# KiCad board pcb.kicad_pcb (continued)
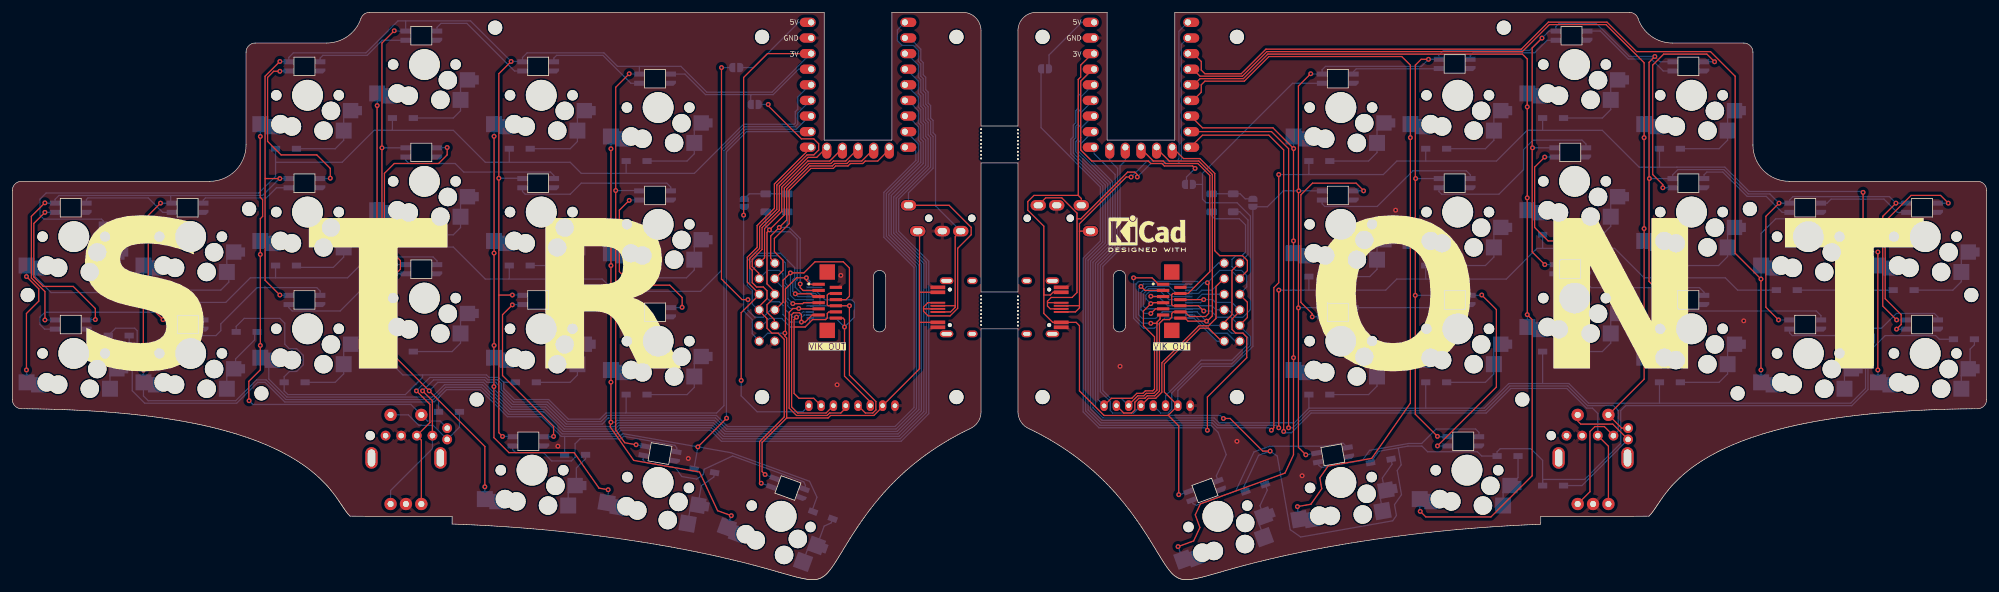
[diagram p0: board, top side]
## Routing (per net, layer and track width the routed paths; a pad name or vN(x,y) marks a point on that pad's centre or on a via; arc(x,y) is an arc through that point)
5V_VIK: length 81.3
  Top w0.2: 124.04,43.9 125.3,45.16 125.3,48.72 v1(126.5,49.92) 128.7,49.92 130.5,51.72 135.1,51.72 136.1,50.72 136.1,46.12 135.55,45.57 133.5,45.57 ; v1(115.3,83.32) 115.3,48.92 118.65,45.57 v1(119.6,45.57)
  Bottom w0.2: JP1.2 v1(115.3,83.32) ; v1(119.6,45.57) 119.6,43.82 120.7,42.72 122.1,42.72 123.28,43.9 124.04,43.9 ; v1(126.5,49.92) 126.5,46.32 127.25,45.57 129.7,45.57
5V_VIK_r: length 119.7
  Top w0.2: v1(194.3,24.32) 194.3,29.72 200.7,36.12 200.7,39.49 200.07,40.12 198.9,40.12 198.3,40.72 198.3,42.41 199.5,43.61 199.5,43.9 ; v1(193.7,45.57) 189.9,45.57
  Bottom w0.2: 191.35,45.07 193.2,45.07 v1(193.7,45.57) 195.14,45.57 195.6,45.12 198.29,45.12 199.5,43.9 ; v1(194.3,24.32) 193.89,24.72 176.67,24.72 174.1,27.29 174.1,52.32 176.9,55.12 176.9,63.89 167.25,73.54 JP2.2
+5V: length 14.6
  Bottom w0.2: JP1.1 120.51,83.32 127.86,90.68 MCU1.23
+5VD: length 11.8
  Bottom w0.2: JP2.1 168.55,85.37 173.86,90.68 175.88,90.68
GND: length 2
  Bottom w0.2: 129.7,47.57 131.65,47.57
  vias: v1(88.7,21.72) v1(109.9,19.72) v1(134.1,31.72) v1(134.7,49.52)
GNDA: length 9.9
  Bottom w0.2: 191.35,43.07 192.16,43.07 195.11,40.12 197.5,40.12 198.8,38.82 199.5,38.82
  vias: v1(180.1,34.72) v1(199.1,22.52) v1(209.7,16.92) v1(224.9,60.12) v1(262.9,46.12) v1(281.5,42.12) v1(288.7,57.12)
VCC: length 584.2
  Top w0.2: 79.1,46.32 79.1,82.32 v1(81.1,84.32) ; 79.1,46.32 v1(81.3,46.32) ; 79.1,46.32 79.1,23.92 v1(79.7,23.32) ; 147.5,46.77 147.5,34.32 141.5,28.32 141.5,28.16 140.07,26.72 133.04,26.72 132.64,26.32 125.91,26.32 121.9,22.32 121.9,17.59 v1(122.38,17.11) ; 147.5,46.77 147.5,56.42 147.2,56.72 ; 147.5,46.77 149.57,46.77 ; v1(24.1,61.27) 22.1,59.27 22.1,44.72 v1(24.5,42.32) ; v1(62.1,89.32) 60.1,87.32 60.1,53.52 v1(62.3,51.32) ; v1(43.5,84.32) 41.1,81.92 41.1,48.72 v1(43.5,46.32) ; v1(43.5,65.27) 41.1,65.27 ; 131.5,48.07 129.75,48.07 129.1,48.72 v1(129.1,49.12) 127.51,49.12 125.7,47.32 125.7,40.22 v1(125.6,40.12) 125.6,39.62 125.9,39.32 125.9,26.32 ; v1(118.9,59.32) 118.9,81.72 122.78,85.6 MCU1.21 ; v1(101.42,21.96) 99.57,22.29 98.1,24.38 v1(98.1,63.32) 98.1,80.12 v1(100.3,82.32) ; v1(5.3,42.27) 5.3,46.89 3.1,49.09 3.1,59.12 v1(5.3,61.32) ; 149.57,41.87 147.5,41.87 ; 98.1,44.32 v1(100.3,44.32)
  Bottom w0.2: v1(129.1,49.12) 129.7,48.52 129.7,48.07 ; LED5.1 43.44,65.27 40.69,62.52 7.59,62.52 6.95,61.88 LED7.1 5.35,61.27 v1(5.3,61.32) ; 43.55,46.27 LED10.1 ; v1(100.3,82.32) 100.35,82.27 LED1.1 101.95,83.52 ; MCU1.21 129.88,85.6 129.81,85.6 123.53,79.32 112.9,79.32 108.7,83.52 98.38,83.52 96.19,85.72 83.7,85.72 82.95,84.97 LED2.1 82.9,84.32 v1(81.1,84.32) 74.5,90.92 62.7,90.92 57.5,85.72 45.7,85.72 44.95,84.97 LED4.1 43.56,84.27 v1(43.5,84.32) ; v1(62.1,89.32) 62.15,89.27 LED3.1 63.95,90.92 ; v1(98.1,63.32) 101.9,63.32 LED14.1 ; v1(24.1,61.27) 25.75,61.27 25.75,62.52 ; LED19.1 122.41,17.06 v1(122.38,17.11) ; v1(79.7,23.32) 81.3,23.32 LED17.1 ; 121.5,38.82 120.3,40.02 120.3,42.32 118.9,43.72 v1(118.9,59.32) 118.9,60.57 119,60.67 ; v1(101.42,21.96) 101.42,21.96 LED18.1 ; v1(24.5,42.32) 25.9,42.32 LED9.1 ; LED13.1 82.9,65.32 v1(79.1,65.32) ; v1(81.3,46.32) 82.9,46.32 LED16.1 ; v1(60.1,70.27) LED12.1 ; LED15.1 101.9,44.32 v1(100.3,44.32) ; v1(62.3,51.32) 62.35,51.27 LED11.1 ; v1(5.3,42.27) LED8.1 ; 121.5,38.82 122.8,40.12 v1(125.6,40.12)
VDD: length 598.7
  Top w0.2: 167.7,47.32 167.7,57.52 165.1,60.12 165.1,61.52 166.1,62.52 173.3,62.52 ; 167.7,47.32 167.7,43.32 169.15,41.87 172.95,41.87 173.5,41.32 173.5,30.72 177.51,26.72 187.89,26.72 187.92,26.75 ; 167.7,47.32 167.7,46.32 168.77,46.32 169.22,46.77 171.42,46.77 ; 187.92,26.75 189.65,25.03 v1(189.65,13.83) ; 187.92,26.75 189.5,28.32 187.3,30.52 187.3,35.12 193.1,40.92 194.5,40.92 196.59,38.82 196.96,38.82 ; 175.88,85.6 175.59,85.6 173.7,83.72 173.7,81.78 173.3,81.38 173.3,62.52 ; v1(306.24,61.27) 304.1,59.12 304.1,44.52 v1(306.36,42.27) ; v1(267.04,85.12) 266.1,84.18 266.1,65.32 v1(266.16,65.27) 266.1,65.21 266.1,48.52 v1(268.36,46.27) ; v1(210.3,20.32) 209.1,21.52 v1(209.1,44.22) 209.1,63.21 v1(209.16,63.27) 209.1,63.32 209.1,80.32 v1(211.1,82.32) ; v1(287.24,61.27) 285.1,59.12 285.1,44.32 v1(287.16,42.27) ; v1(231.7,23.32) 228.1,26.92 v1(228.1,46.27) 228.1,65.21 v1(228.16,65.27) 228.1,65.32 228.1,83.72 229.05,84.67 v1(230.24,84.67) ; 173.3,62.52 173.8,62.02 TRRS2.T ; 187.5,48.07 186.35,48.07 185.3,49.12 v1(182.3,49.12) ; v1(248.7,88.12) 247.1,86.52 247.1,70.32 v1(247.16,70.27) 247.1,70.21 247.1,53.32 v1(249.16,51.27)
  Bottom w0.2: LED32.1 v1(306.24,61.27) 305.19,62.32 289.5,62.32 288.95,61.77 LED33.1 v1(287.24,61.27) 285.74,62.77 282.22,62.77 278.27,66.72 270.8,66.72 269.95,65.88 LED34.1 v1(266.16,65.27) ; LED22.1 231.76,23.27 v1(231.7,23.32) ; v1(189.65,13.83) 189.73,13.79 LED20.1 ; v1(228.1,46.27) LED23.1 ; v1(268.36,46.27) LED29.1 ; v1(247.16,70.27) LED27.1 ; v1(287.16,42.27) LED30.1 ; v1(211.1,82.32) 211.16,82.27 LED38.1 212.95,82.97 213.51,83.52 229.11,83.52 230.24,84.66 v1(230.24,84.67) LED37.1 231.95,85.37 232.71,86.12 246.7,86.12 v1(248.7,88.12) 249.84,89.27 LED36.1 250.95,89.97 251.5,90.52 257.5,90.52 262.9,85.12 v1(267.04,85.12) 267.9,84.27 LED35.1 ; 196.96,38.82 195.84,38.82 192.1,42.57 187.35,42.57 185.7,40.92 183.9,40.92 182.3,42.52 v1(182.3,49.12) ; v1(209.1,44.22) 209.14,44.27 LED24.1 ; v1(210.3,20.32) 210.32,20.31 LED21.1 ; v1(306.36,42.27) LED31.1 ; v1(228.16,65.27) LED26.1 ; 189.5,28.32 189.5,30.79 193.43,34.72 198.43,34.72 201.7,37.98 201.7,60.48 201.5,60.68 204.06,60.68 206.64,63.27 v1(209.16,63.27) LED25.1 ; v1(249.16,51.27) LED28.1
col0: length 264.6
  Top w0.2: v1(2.3,49.32) 4.3,47.32 4.3,45.32 2.3,43.32 v1(2.3,34.12) ; v1(21.32,34.09) 21.3,34.12 v1(21.3,49.12)
  Bottom w0.2: 2.32,51.12 2.32,49.35 v1(2.3,49.32) ; 3.75,50.07 3.75,49.27 6.3,46.72 18.9,46.72 v1(21.3,49.12) 21.32,49.14 SW6.2 ; v1(21.32,34.09) 21.32,29.89 22.1,29.12 36.32,29.12 39.72,32.52 41.27,32.52 44.47,29.32 68.43,29.32 70.43,31.32 76.27,31.32 80.67,26.92 86.21,26.92 89.4,23.72 98.37,23.72 98.97,24.32 113.49,24.32 115.29,22.52 144.51,22.52 149,27.02 149,51.82 144.1,56.72 144.1,61.92 149.3,67.12 149.3,71.95 148.9,72.35 148.9,74.38 148.5,74.78 148.5,76.81 148.1,77.21 148.1,78.93 147.7,79.33 147.7,81.35 147.3,81.75 147.3,83.72 145.42,85.6 MCU1.3 ; v1(2.3,34.12) 2.32,34.1 2.32,32.12
col0_r: length 202.9
  Top w0.2: v1(303.3,53.32) v1(303.3,34.12) ; v1(284.3,34.12) v1(284.3,48.92) 280.1,53.12 280.1,81.91 276.1,85.92 264.07,85.92 259.27,90.72 249.73,90.72 245.33,86.32 203.8,86.32 199.8,82.32 193.9,82.32 193.3,82.92 193.3,84.32 192.01,85.6 191.12,85.6
  Bottom w0.2: 303.32,32.12 303.32,34.1 v1(303.3,34.12) ; v1(284.3,48.92) 284.32,48.95 SW25.2 284.32,56.34 286.7,58.72 296.9,58.72 302.29,53.32 v1(303.3,53.32) 303.3,51.14 SW20.2 ; SW30.2 284.32,34.1 v1(284.3,34.12)
col1: length 265.6
  Top w0.2: v1(38.5,29.12) 38.45,29.17 38.45,32.27 40.32,34.14 v1(40.32,38.12) 40.32,52.92 v1(40.32,52.92) 40.32,58.74 40.7,59.12 40.7,61.82 40.3,62.22 40.3,72.09 v1(40.32,72.12)
  Bottom w0.2: v1(40.32,72.12) SW2.2 ; SW7.2 40.32,52.92 v1(40.32,52.92) ; ROLL1.S1 69.55,25.82 67.5,25.82 RE1.S1 64.8,28.52 39.11,28.52 v1(38.5,29.12) ; v1(40.32,38.12) 40.32,36.12 41.35,36.12 41.7,35.77 41.7,32.65 44.63,29.72 68.26,29.72 70.26,31.72 76.43,31.72 80.83,27.32 86.37,27.32 89.57,24.12 98.2,24.12 98.8,24.72 113.66,24.72 115.46,22.92 144.34,22.92 148.6,27.18 148.6,51.65 143.7,56.55 143.7,62.08 148.9,67.28 148.9,71.72 148.5,72.12 148.5,74.22 148.1,74.62 148.1,76.64 147.7,77.04 147.7,78.72 147.3,79.12 147.3,81.12 145.36,83.06 MCU1.4
col1_r: length 150.7
  Top w0.2: ROLL2.S1 261.65,24.67 RE2.S1 265.3,32.62 v1(265.3,38.12) v1(265.3,57.12) v1(265.3,71.92) 265.3,84.12 259.1,90.32 249.9,90.32 245.5,85.92 203.97,85.92 199.97,81.92 193.1,81.92 191.95,83.06 191.12,83.06
  Bottom w0.2: SW21.2 265.32,71.95 v1(265.3,71.92) ; SW26.2 265.32,57.1 v1(265.3,57.12) ; SW31.2 265.32,38.1 v1(265.3,38.12)
col2: length 222.9
  Top w0.2: v1(59.32,77.14) 59.3,77.12 59.3,58.14 v1(59.32,58.12) v1(59.32,39.14) 59.36,39.14 v1(67.78,30.72) 76.82,21.68 v1(76.82,15.12)
  Bottom w0.2: v1(59.32,39.14) SW13.2 ; MCU1.5 145.31,80.52 147.3,78.53 147.3,76.88 147.7,76.48 147.7,74.45 148.1,74.05 148.1,71.92 148.5,71.52 148.5,67.45 143.3,62.25 143.3,56.38 148.2,51.48 148.2,27.35 144.17,23.32 115.63,23.32 113.83,25.12 98.64,25.12 98.04,24.52 89.73,24.52 86.54,27.72 81,27.72 76.6,32.12 69.17,32.12 v1(67.78,30.72) ; v1(59.32,58.12) 59.32,60.12 ; v1(76.82,15.12) SW17.2 ; v1(59.32,77.14) SW3.2
col2_r: length 155.3
  Top w0.2: v1(228.9,11.12) 229.81,10.22 240.4,10.22 247.1,16.92 247.1,42.32 v1(246.3,43.12) v1(246.3,62.12) v1(246.3,76.92) 246.3,84.72 245.5,85.52 204.13,85.52 200.13,81.52 193.1,81.52 192.11,80.52 191.12,80.52
  Bottom w0.2: SW22.2 246.32,76.95 v1(246.3,76.92) ; v1(246.3,62.12) 246.32,62.1 SW27.2 ; SW32.2 246.32,43.1 v1(246.3,43.12) ; v1(228.9,11.12) 228.82,11.2 SW36.2
col3: length 211
  Top w0.2: v1(78.32,72.14) v1(78.32,53.14) v1(78.32,38.12) 78.3,38.09 78.3,23.12 80.75,20.67 91.35,20.67 95.39,14.9 v1(96.88,14.64)
  Bottom w0.2: v1(96.88,14.64) 96.97,14.5 SW18.2 ; MCU1.6 145.63,77.98 147.3,76.31 147.3,74.29 147.7,73.89 147.7,71.72 148.1,71.32 148.1,67.72 142.9,62.52 142.9,56.22 147.8,51.32 147.8,27.51 144.01,23.72 115.79,23.72 113.99,25.52 98.47,25.52 97.87,24.92 89.9,24.92 86.71,28.12 81.16,28.12 78.3,30.98 v1(78.3,31.42) ; v1(78.32,38.12) SW14.2 ; v1(78.32,53.14) SW9.2 ; v1(78.32,72.14) 78.32,74.12
col3_r: length 131.3
  Top w0.2: 191.12,77.98 191.97,77.98 193.3,79.32 193.3,80.52 193.9,81.12 200.3,81.12 204.3,85.12 225.9,85.12 227.3,83.72 v1(227.3,71.92) v1(227.3,57.12) v1(227.3,38.12) 227.3,28.72 221.01,19.74 213.93,18.49 212.58,16.57 212.89,14.8 211.13,12.28 v1(208.94,11.89)
  Bottom w0.2: v1(208.94,11.89) 208.91,11.85 SW37.2 ; v1(227.3,71.92) 227.32,71.95 227.32,74.12 ; v1(227.3,57.12) 227.32,57.1 SW28.2 ; v1(227.3,38.12) 227.32,38.1 SW33.2
col4: length 185.8
  Top w0.2: v1(116.9,10.42) 114.67,11.23 111.73,17.52 101.03,19.41 97.2,24.89 v1(97.32,25.62) 97.32,25.62 v1(97.32,32.14) v1(97.32,51.12) v1(97.32,70.12)
  Bottom w0.2: v1(97.32,51.12) 97.32,53.12 ; SW19.2 116.86,10.4 v1(116.9,10.42) ; MCU1.7 145.59,75.44 147.3,73.72 147.3,71.52 147.7,71.12 147.7,67.88 142.5,62.68 142.5,56.05 147.4,51.15 147.4,27.68 143.84,24.12 115.96,24.12 114.16,25.92 98.31,25.92 98.01,25.62 v1(97.32,25.62) ; SW5.2 v1(97.32,70.12) ; v1(97.32,32.14) SW15.2
col4_r: length 104.7
  Top w0.2: 191.12,75.44 191.58,75.44 193.5,73.52 204.95,73.52 v1(208.32,70.15) 208.3,70.12 v1(208.3,55.12) v1(208.3,36.12) 208.3,20.32 206.91,17.35 193.17,12.35 192.33,10.55 193.08,8.48 192.07,6.31 v1(189.53,5.39)
  Bottom w0.2: SW29.2 208.32,55.1 v1(208.3,55.12) ; v1(208.32,70.15) SW24.2 ; SW38.2 190.27,3.33 v1(189.53,5.39) ; v1(208.3,36.12) 208.32,36.1 208.32,34.12
CS: length 72.2
  Top w0.2: DISP1.7 130.3,29.52 127.9,29.52 127.1,30.32 127.1,42.33 v1(127.49,42.72) ; 133.5,43.57 132.75,43.57 132.5,43.32 132.5,42.59 132.22,42.32 130.09,42.32 128.89,41.12 127.1,41.12 ; 123.9,48.9 125.3,50.3 125.3,51.97 123.9,53.37 123.9,55.52 126.3,57.92 126.3,63.38 129.83,66.92 133.47,66.92 133.87,67.32 135.87,67.32 136.27,67.72 138.27,67.72 138.67,68.12 140.7,68.12 142.58,70 MCU1.10
  Bottom w0.2: 123.9,48.9 125.3,47.5 125.3,45.32 125.7,44.92 125.7,43.92 126.89,42.72 v1(127.49,42.72) 127.7,42.72 128.54,43.57 129.7,43.57
CS_r: length 76.2
  Top w0.2: MCU2.10 190.42,68.52 193.08,68.52 195.5,66.09 195.5,53.52 196.3,52.72 200.01,52.72 200.8,51.93 200.8,50.28 199.5,48.98 ; v1(194.3,48.32) 194.5,48.12 194.5,43.32 194,42.82 191.4,42.82 190.65,43.57 188.75,43.57 188.5,43.32 188.5,42.69 188.12,42.32 187.1,42.32 186.5,41.72 186.5,30.68 185.74,29.92 184.53,29.92 184.13,29.52 183.15,29.52 182.5,28.87 182.5,27.64 181.97,27.12 180.71,27.12 179.5,28.32
  Bottom w0.2: 199.5,48.98 198.16,50.32 196.31,50.32 v1(194.3,48.32) 193.7,48.32 192.46,47.07 191.35,47.07
ENCA: length 159.2
  Top w0.2: ROLL1.A 68.3,23.45 68.3,29.12 v1(66.7,30.72)
  Bottom w0.2: ROLL1.A 68.31,21.33 61.5,14.52 RE1.A ; MCU1.8 145.32,72.9 147.3,70.92 147.3,68.05 142.1,62.85 142.1,55.89 147,50.99 147,27.84 143.68,24.52 116.12,24.52 114.32,26.32 96.91,26.32 95.91,25.32 90.07,25.32 86.87,28.52 81.33,28.52 79.1,30.74 79.1,31.61 78.59,32.12 77.16,32.12 76.76,32.52 68.49,32.52 v1(66.7,30.72)
ENCA_r: length 142.8
  Top w0.2: RE2.A 256.5,14.32 256.5,24.12 257.3,24.92 258.83,24.92 ROLL2.A ; 191.12,72.9 204.72,72.9 207.5,70.12 v1(207.5,24.72)
  Bottom w0.2: 260.31,23.44 261.1,24.23 261.1,27.52 260.3,28.32 256.1,28.32 252.9,31.52 243.47,31.52 239.47,27.52 210.99,27.52 208.19,24.72 v1(207.5,24.72)
ENCB: length 156.3
  Top w0.2: v1(65.7,30.72) 67.9,28.52 67.9,25.57 ROLL1.B 66.5,22.71 RE1.B
  Bottom w0.2: v1(65.7,30.72) 67.89,32.92 76.93,32.92 77.33,32.52 78.91,32.52 79.5,31.93 79.5,30.91 81.49,28.92 87.04,28.92 90.23,25.72 95.71,25.72 96.71,26.72 114.49,26.72 116.29,24.92 143.51,24.92 146.6,28.01 146.6,50.82 141.7,55.72 141.7,63.01 146.9,68.21 146.9,69.72 146.26,70.36 MCU1.9
ENCB_r: length 134.5
  Top w0.2: v1(206.7,24.12) 206.7,69.92 204.3,72.32 193.5,72.32 191.54,70.36 191.12,70.36 ; RE2.B 259.5,21.71 ROLL2.B
  Bottom w0.2: v1(206.7,24.12) 206.9,23.92 207.96,23.92 211.16,27.12 239.63,27.12 243.63,31.12 252.73,31.12 255.93,27.92 256.9,27.92 257.77,27.05 ROLL2.B
GPIO1: length 86.4
  Top w0.2: MCU1.15 123.9,64.38 123.9,60.42 121.1,57.62 121.1,54.07 119.5,52.47 119.5,48.44 121.5,46.44 118.5,43.44 v1(118.5,32.42) ; 131.5,45.07 128.65,45.07 128.5,44.92 v1(126.9,44.92)
  Bottom w0.2: 129.65,45.07 128.7,45.07 128.55,44.92 v1(126.9,44.92) 126.1,45.72 126.1,47.84 125.7,48.24 125.7,51.52 124.51,52.72 121.07,52.72 119.9,51.54 119.9,48.04 121.5,46.44 ; v1(118.5,32.42) 118.5,29.92 121.1,27.32 128.5,27.32 DISP1.8
GPIO1_r: length 87.5
  Top w0.2: 187.5,45.07 185.25,45.07 v1(185.1,44.92) 183.9,43.72 183.9,41.32 185.7,39.52 185.7,31.01 185.41,30.72 184.2,30.72 183.8,30.32 182.82,30.32 182.01,29.52 178.7,29.52 DISP2.8
  Bottom w0.2: 175.88,70.36 175.88,69.34 179.3,65.92 179.3,54.12 176.5,51.32 176.5,29.32 177.5,28.32 ; 196.96,46.44 193.42,46.44 192.55,45.57 188.05,45.57 186.7,46.92 184.9,46.92 184.3,46.32 184.3,45.72 v1(185.1,44.92)
GPIO2: length 73.5
  Top w0.2: 121.36,48.9 121.36,49.86 120.3,50.92 120.3,52.14 121.9,53.74 121.9,57.29 124.7,60.09 124.7,64.05 129.37,68.72 130.78,68.72 MCU1.14 ; 131.5,44.07 127.92,44.07 v1(127.87,44.12) 127.86,44.12 126.9,44.12 126.3,43.52 126.3,27.92 127.49,26.72 132.47,26.72 132.87,27.12 134.7,27.12 135.5,27.92 DISP1.5
  Bottom w0.2: 121.36,48.9 122.78,50.32 124.71,50.32 125.3,49.73 125.3,48.07 125.7,47.67 125.7,45.49 126.1,45.09 126.1,44.52 126.5,44.12 v1(127.87,44.12) 127.92,44.07 129.7,44.07
GPIO2_r: length 101.4
  Top w0.2: 183.5,28.32 184.7,29.52 185.91,29.52 186.9,30.52 186.9,35.28 192.93,41.32 194.5,41.32 195.7,42.52 195.7,47.72 196.96,48.98 ; v1(185.1,43.32) 185.85,44.07 187.5,44.07
  Bottom w0.2: v1(185.1,43.32) 184.1,43.32 183.5,43.92 183.5,46.72 184.5,47.72 188.11,47.72 189.25,46.57 192.86,46.57 193.4,47.12 195.09,47.12 196.96,48.98 ; 183.5,28.32 182.3,27.12 178.9,27.12 178.5,27.52 178.5,29 176.9,30.6 176.9,51.16 179.7,53.96 179.7,66.92 178.42,68.2 178.42,70.36
I2C_3V3: length 7.3
  Bottom w0.2: JP3.1 119.81,62.78 R1.1 R2.1
I2C_3V3_r: length 6.8
  Bottom w0.2: 201.5,61.98 201.49,61.97 200.45,61.97 199.63,62.79 195,62.79
LED: length 27.6
  Bottom w0.2: MCU1.20 127.83,83.06 123.7,78.92 120.13,78.92 ; 120.13,78.92 120.05,78.84 JP5.1 ; 120.13,78.92 112.7,78.92 109.36,82.27 LED1.4
LED_OUT: length 110.7
  Top w0.2: 131.5,46.07 130.26,46.07 129.81,46.52 v1(127.3,46.52) ; 121.36,43.82 122.7,42.48 122.7,40.92 123.5,40.12 124.5,40.12 125.5,39.12 125.5,26.48 121.5,22.48 121.5,15.96 v1(121.76,15.7) ; v1(122.9,77.32) 122.9,77.12 128.29,71.72 130.3,71.72 131.1,70.92 131.1,69.9 130.31,69.12 129.21,69.12 124.3,64.21 124.3,60.25 121.5,57.45 121.5,53.9 119.9,52.3 119.9,50.72 120.3,50.32 120.3,48.32 121,47.62 122.1,47.62 122.7,47.02 122.7,45.72 121.5,44.52 121.5,43.9
  Bottom w0.2: 121.36,43.82 120.3,44.88 120.3,47.07 119.5,47.87 119.5,51.89 120.73,53.12 124.87,53.12 127.2,50.79 127.2,49.13 126.9,48.83 126.9,46.92 v1(127.3,46.52) 127.75,46.07 129.7,46.07 ; v1(121.76,15.7) LED19.2 ; v1(122.9,77.32) JP5.2
LED_OUT_r: length 76
  Top w0.2: v1(185.1,46.12) 185.15,46.07 187.5,46.07
  Bottom w0.2: JP6.2 193.5,64.32 ; v1(185.1,46.12) 186.3,46.12 187.84,44.57 195.04,44.57 195.72,43.9 197.72,43.9 198.89,42.72 200.1,42.72 201.3,43.92 201.3,59.15 199.13,61.32 194.1,61.32 193.5,61.92 193.5,66.12 208.15,80.77 LED38.2
LED_r: length 129.4
  Top w0.2: v1(192.3,66.92) 191.9,67.32 187.3,67.32 186.9,67.72 185.1,67.72 184.7,68.12 175.5,68.12 173.7,69.92 173.7,71.92 173.7,81.12 175.65,83.06 175.88,83.06
  Bottom w0.2: v1(192.3,66.92) 190.9,65.52 190.9,64.57 JP6.1 ; 175.88,83.06 175.65,83.06 173.7,81.12 173.7,79.12 173.3,78.72 173.3,76.72 172.9,76.32 172.9,74.34 172.5,73.94 172.5,72.06 172.1,71.66 172.1,69.26 177.3,64.06 177.3,54.95 174.5,52.15 174.5,27.46 176.84,25.12 194.9,25.12 196.04,23.98 197.36,20.35 195.75,16.89 LED20.4
MISO: length 74.6
  Top w0.2: 132,43.07 130.04,43.07 128.9,41.92 v1(128.3,41.92) 128.3,43.11 127.99,43.42 127,43.42 126.7,43.12 126.7,28.12 127.69,27.12 132.31,27.12 DISP1.6 ; 121.36,51.44 122.3,52.38 122.3,57.12 125.1,59.92 125.1,63.88 129.34,68.12 132.91,68.12 134.96,70.17 MCU1.13
  Bottom w0.2: 121.36,51.44 120.3,50.38 120.3,48.32 121,47.62 122.1,47.62 122.7,47.02 122.7,45.82 123.3,45.22 124.7,45.22 125.3,44.62 125.3,43.12 126.49,41.92 v1(128.3,41.92) 128.3,42.62 128.74,43.07 129.7,43.07
MISO_r: length 91.4
  Top w0.2: v1(185.1,41.72) 186.1,41.72 ; 181.5,28.32 181.5,28.44 182.99,29.92 183.97,29.92 184.37,30.32 185.57,30.32 186.1,30.85 186.1,41.92 186.6,42.42 VIK_K4.11
  Bottom w0.2: 181.5,28.32 180.32,29.5 178.56,29.5 177.3,30.76 177.3,50.99 180.1,53.79 180.1,67.32 180.96,68.18 180.96,70.36 ; v1(185.1,41.72) 183.7,41.72 182.7,42.72 182.7,48.12 183.11,48.52 192.69,48.52 192.9,48.32 ; 191.35,47.57 192.16,47.57 196.11,51.52 196.96,51.52
MOSI/SCL: length 97.5
  Top w0.2: 133.5,46.57 132.75,46.57 132.5,46.32 132.5,44.72 132.64,44.57 136.09,44.57 v1(136.1,44.57) 136.1,33.29 140.4,28.99 140.4,27.62 139.9,27.12 138.69,27.12 DISP1.4 ; MCU1.12 137.5,70.12 135.5,68.12 133.5,68.12 133.1,67.72 129.5,67.72 125.5,63.71 125.5,59.32 122.7,56.52 122.7,48.12 124.04,46.78 124.04,46.06 122.7,44.72 122.7,43.52 123.9,42.32 123.9,41.28
  Bottom w0.2: R1.2 122.5,57.52 v1(123.1,56.92) 123.41,56.61 126.44,56.61 127.6,55.45 127.6,48.82 127.3,48.52 127.3,47.57 128.31,46.57 130.56,46.57 131.3,45.82 131.3,44.57 ; 131.3,44.57 129.7,44.57 ; 131.3,44.57 v1(136.1,44.57)
MOSI/SCL_r: length 125.2
  Top w0.2: 183.5,70.36 183.5,70.12 185.5,68.12 187.1,68.12 187.5,67.72 192.75,67.72 194.7,65.76 194.7,50.12 191.16,46.57 188.7,46.57 188.5,46.37 188.5,44.77 188.7,44.57 192.84,44.57 v1(193.7,43.72) ; 199.5,41.36 200.8,42.66 200.8,45.14 199.5,46.44
  Bottom w0.2: 199.5,46.44 200.7,47.64 200.7,49.47 199.84,50.32 198.9,50.32 198.3,50.92 198.3,52.11 198.91,52.72 199.9,52.72 200.5,53.32 200.5,57.72 199.49,58.72 195.49,58.72 195,59.22 195,59.87 ; 185.5,28.32 186.7,27.12 187.9,27.12 188.5,27.72 188.5,30.36 193.26,35.12 198.27,35.12 201.3,38.15 201.3,39.56 198.15,42.72 195.9,42.72 194.9,43.72 v1(193.7,43.72) 193.35,44.07 184.35,44.07 183.9,44.52 183.9,46.52 184.7,47.32 187.3,47.32 188.54,46.07 191.35,46.07
row0: length 164.5
  Bottom w0.2: D1.1 14.8,58.37 14.5,58.67 5.16,58.67 4.5,59.32 4.5,61.92 5.5,62.92 40.09,62.92 42.8,65.62 42.8,69.82 ; D4.1 80.8,67.92 ; 61.7,73.12 61.8,73.22 D3.1 ; 42.8,67.92 53.63,67.92 58.83,73.12 71.7,73.12 76.9,67.92 90.7,67.92 92.5,66.12 110.9,66.12 118.88,74.1 127.11,74.1 127.3,74.29 127.3,76.14 127.7,76.54 127.7,78.52 129.69,80.52 MCU1.19 ; D5.1 99.8,66.12
row0_r: length 263.2
  Top w0.2: v1(205.9,65.92) 205.9,48.32 205.1,47.52 205.1,24.72 v1(204.7,24.32) ; v1(300.9,63.02) v1(300.9,47.12)
  Bottom w0.2: 210.7,65.92 210.8,66.02 D25.1 ; D22.1 267.8,67.12 ; D23.1 248.8,73.12 ; v1(300.9,47.12) D21.1 ; v1(204.7,24.32) 204.3,24.72 195.87,24.72 195.07,25.52 177,25.52 174.9,27.63 174.9,51.98 177.7,54.78 177.7,64.23 172.5,69.43 172.5,71.5 172.9,71.9 172.9,73.77 173.3,74.17 173.3,76.14 173.7,76.54 173.7,78.53 175.69,80.52 175.88,80.52 ; D24.1 229.8,68.12 ; v1(300.9,63.02) 300.76,63.17 282.39,63.17 278.43,67.12 270.63,67.12 270.62,67.12 264.5,67.12 258.5,73.12 246.3,73.12 241.3,68.12 225.1,68.12 222.9,65.92 v1(205.9,65.92)
row1: length 148
  Bottom w0.2: D7.1 42.8,49.12 ; MCU1.18 129.75,77.98 127.7,75.92 127.7,74.12 127.27,73.7 119.05,73.7 115.3,69.95 115.3,50.32 111.89,46.92 97.9,46.92 95.9,48.92 76.9,48.92 71.7,54.12 59.5,54.12 54.5,49.12 38.7,49.12 34.7,45.12 25.1,45.12 23.8,46.42 D6.1 ; D10.1 99.8,47.02 99.7,46.92 ; 80.7,48.92 80.8,49.02 D9.1 ; D8.1 61.8,54.22 61.7,54.12
row1_r: length 204.2
  Top w0.2: v1(205.9,24.72) v1(205.9,47.12)
  Bottom w0.2: D30.1 210.8,47.12 ; D28.1 248.8,53.92 ; D27.1 267.8,49.12 ; 175.88,77.98 175.72,77.98 173.7,75.96 173.7,74.01 173.3,73.61 173.3,71.7 172.9,71.3 172.9,69.59 178.1,64.39 178.1,54.62 175.3,51.82 175.3,27.79 177.17,25.92 195.23,25.92 196.03,25.12 205.49,25.12 v1(205.9,24.72) ; v1(205.9,47.12) 223.29,47.12 225.09,48.92 242.9,48.92 247.9,53.92 260.51,53.92 265.31,49.12 278.51,49.12 280.51,47.12 D26.1 ; D29.1 229.8,48.92
row2: length 173
  Bottom w0.2: 66.7,33.32 66.7,32.92 63.9,30.12 44.8,30.12 44.2,30.71 44.2,33.02 45.07,33.89 46.23,33.89 47.31,34.97 47.31,36.5 46.23,37.59 45.03,37.59 44.3,38.32 44.3,41.72 43.51,42.52 37.7,42.52 36.4,41.22 D11.1 ; D13.1 61.8,35.02 63.5,33.32 77.09,33.32 77.49,32.92 79.08,32.92 79.9,32.09 79.9,31.08 81.66,29.32 87.2,29.32 90.4,26.12 95.54,26.12 96.54,27.12 114.51,27.12 115.7,28.32 115.7,69.78 119.21,73.3 127.47,73.3 129.62,75.44 129.88,75.44 MCU1.17 ; D14.1 79.88,32.12 ; D15.1 99.8,27.22 99.7,27.12
row2_r: length 214.2
  Bottom w0.2: D33.1 248.8,31.92 ; D35.1 210.8,27.92 ; D34.1 229.8,27.92 ; 297.4,39.52 297.4,40.07 297.84,40.52 302.1,40.52 302.7,39.92 302.7,38.52 301.3,37.12 301.3,31.12 298.9,28.72 256.27,28.72 253.07,31.92 243.3,31.92 239.3,27.92 210.83,27.92 208.43,25.52 196.2,25.52 195.4,26.32 177.33,26.32 175.7,27.96 175.7,51.65 178.5,54.45 178.5,64.56 173.3,69.76 173.3,71.11 173.7,71.51 173.7,73.44 175.7,75.44 175.88,75.44 ; D32.1 267.8,28.72
row3: length 214.6
  Top w0.2: v1(116.13,26.28) v1(111.46,21.61)
  Bottom w0.2: D16.1 16.8,40.92 19.9,40.92 20.3,40.52 20.3,37.72 19.5,36.92 19.5,30.74 21.52,28.72 36.48,28.72 39.88,32.12 41.1,32.12 44.3,28.92 68.59,28.92 69.6,29.92 ; 69.6,29.92 69.05,29.37 69.3,29.12 D17.1 ; 69.6,29.92 70.59,30.92 76.1,30.92 80.5,26.52 86.04,26.52 89.24,23.32 98.66,23.32 99.16,23.67 99.25,23.76 116.83,20.66 129.62,16.01 130.82,13.42 129.9,10.9 ; D18.1 89.8,23.32 ; D19.1 v1(111.46,21.61) ; MCU1.16 119.38,72.9 116.1,69.62 116.1,26.31 v1(116.13,26.28)
row3_r: length 252.4
  Top w0.2: v1(196.9,26.23) 197.99,26.23 203.3,20.92 v1(204.5,20.92)
  Bottom w0.2: 175.88,72.9 175.67,72.9 173.7,70.93 173.7,69.92 178.9,64.72 178.9,54.29 176.1,51.49 176.1,28.12 177.5,26.72 196.41,26.72 v1(196.9,26.23) ; 225.32,21.46 225.81,18.7 225.16,17.77 225.86,13.83 224.72,12.21 225.03,10.44 224.43,9.59 209.47,6.95 207.77,8.13 205.66,20.11 v1(204.5,20.92) 202.62,20.24 200.22,15.1 D40.1 ; D39.1 222.13,20.9 226.9,21.74 229.18,21.74 230.1,20.82 238.2,20.82 238.89,20.12 D38.1 241.4,20.82 241.9,21.32 246.9,21.32 248.8,19.42 D37.1 248.8,16.32 255.63,16.32 261.5,22.18 261.5,27.52 262.3,28.32 299.07,28.32 301.7,30.95 301.7,36.92 304.5,39.72 312.7,39.72 313.29,39.12 D36.1
RX: length 56.2
  Top w0.2: TRRS1.R2 153.3,55.82 153.3,44.32 152.55,43.57 149.57,43.57 ; 149.57,44.57 153.3,44.57
  Bottom w0.2: MCU1.2 145.89,88.14 147.7,86.32 147.7,84.52 148.1,84.12 148.1,82.14 148.5,81.74 148.5,79.74 148.9,79.34 148.9,77.54 149.3,77.14 149.3,75.12 149.7,74.72 149.7,72.72 150.1,72.32 150.1,60.82 TRRS1.R2
RX_r: length 75.5
  Top w0.2: 166.8,60.92 168,62.12 170.63,62.12 173.1,59.65 173.1,46.72 172.3,45.92 168.9,45.92 168.3,45.32 168.3,44.52 168.75,44.07 171.42,44.07 ; 173.1,58.72 173.73,58.72 181.33,66.32 182.5,66.32 182.9,65.92 v1(182.9,65.52) ; 168.3,45.12 168.35,45.07 171.42,45.07
  Bottom w0.2: v1(182.9,65.52) 185.1,67.72 189.5,67.72 190.07,68.29 190.07,87.09 191.12,88.14
SCLK/SDA: length 98.2
  Top w0.2: 133.5,42.57 135.05,42.57 135.3,42.32 v1(135.3,41.12) 135.3,33.12 139.5,28.92 DISP1.3 ; 124.04,51.52 123.3,52.26 123.3,55.92 v1(124.69,57.31) 125.9,58.52 125.9,63.55 129.67,67.32 133.3,67.32 133.7,67.72 135.7,67.72 136.1,68.12 138.1,68.12 140.04,70.06 MCU1.11 ; 131.5,47.07 128.55,47.07 128.1,47.52 v1(128.1,48.12)
  Bottom w0.2: 121.36,41.28 121.87,41.28 123.1,42.52 125.1,42.52 126.5,41.12 128.89,41.12 129.65,41.87 129.65,42.57 133.84,42.57 v1(135.3,41.12) 136.9,42.72 136.9,45.12 136.49,45.52 132.17,45.52 130.67,47.02 128.59,47.02 128.1,47.52 v1(128.1,48.12) 128.1,55.52 126.31,57.31 v1(124.69,57.31) ; 126,57.31 126,59.86
SCLK/SDA_r: length 118.3
  Top w0.2: 189.9,42.57 190.64,42.57 191.15,42.06 194.15,42.06 v1(194.16,42.07) 194.25,42.07 195.1,42.92 195.1,65.93 192.91,68.12 188.1,68.12 186.04,70.17 186.04,70.36 ; 196.96,41.36 196.96,41.78 198.3,43.12 198.3,50.32 199.5,51.52 ; 187.5,47.07 184.15,47.07 v1(183.5,47.72)
  Bottom w0.2: 198.5,59.87 199.55,59.87 200.9,58.52 200.9,52.92 199.5,51.52 ; 191.35,48.07 191.34,48.07 VIK_K6.12 188.35,48.07 188.3,48.12 183.9,48.12 v1(183.5,47.72) 183.1,47.32 183.1,43.12 183.7,42.52 185.9,42.52 186.96,43.57 192.64,43.57 194.15,42.07 v1(194.16,42.07) 194.86,41.36 196.96,41.36 198.2,40.12 200.1,40.12 200.9,39.32 200.9,38.32 198.3,35.72 193.29,35.72 187.5,29.92 187.5,28.32
SW_ENCA: length 16.2
  Bottom w0.2: RE1.S2 64.4,26.82 66.1,25.12 68.4,25.12 ROLL1.S2 72.7,24.82 D17.2
SW_ENCA_r: length 23.1
  Top w0.2: ROLL2.S2 260.2,25.32 255.01,25.32 254.5,25.82
  Bottom w0.2: ROLL2.S2 255.2,15.32 D37.2
TX: length 71.4
  Top w0.2: 149.57,45.07 148.85,45.07 148.15,44.37 148.15,44.07 ; TRRS1.S 152.31,60.92 155.9,57.32 155.9,56.12 153.7,53.92 153.7,44.16 152.47,42.92 148.9,42.92 148.15,43.67 148.15,44.07 ; 148.15,44.07 149.57,44.07
  Bottom w0.2: MCU1.1 143.9,89.46 143.9,87.72 144.69,86.92 146.5,86.92 147.3,86.12 147.3,84.33 147.7,83.93 147.7,81.92 148.1,81.52 148.1,79.57 148.5,79.17 148.5,77.37 148.9,76.97 148.9,74.95 149.3,74.55 149.3,72.52 149.7,72.12 149.7,66.95 145.7,62.95 TRRS1.S
TX_r: length 63.2
  Top w0.2: 173.5,56.72 173.5,57.92 181.1,65.52 v1(181.9,65.52) ; 173.5,56.72 173.5,44.22 172.85,43.57 171.42,43.57 ; 173.5,56.72 TRRS2.S ; 173.45,44.57 171.42,44.57
  Bottom w0.2: v1(181.9,65.52) 184.5,68.12 189.3,68.12 189.67,68.49 189.67,89.23 191.12,90.68
Net-(D1-A): length 8.7
  Bottom w0.2: D1.2 18.2,54.52 SW1.1 15.87,52.19 SW1.1
Net-(D2-A): length 13.5
  Bottom w0.2: SW2.1 53.87,75.19 53.87,71.49 52.5,70.12 D2.2
Net-(D3-A): length 13.7
  Bottom w0.2: SW3.1 72.87,80.19 72.87,76.29 71.7,75.12 D3.2
Net-(D4-A): length 13.7
  Bottom w0.2: SW4.1 91.87,75.19 91.87,71.29 90.7,70.12 D4.2
Net-(D5-A): length 13.7
  Bottom w0.2: D5.2 109.7,68.12 110.87,69.29 110.87,73.19 SW5.1
Net-(D6-A): length 14
  Bottom w0.2: SW6.1 34.87,52.19 SW6.1 35.2,49.74 35.2,48.42 33.9,47.12 D6.2
Net-(D7-A): length 13.7
  Bottom w0.2: 46.2,50.82 52.2,50.82 53.87,52.49 53.87,56.19 SW7.1
Net-(D8-A): length 13.7
  Bottom w0.2: 74,62.32 72.87,61.19 72.87,57.29 71.7,56.12 D8.2
Net-(D9-A): length 13.5
  Bottom w0.2: SW9.1 91.87,56.19 91.87,52.49 90.5,51.12 D9.2
Net-(D10-A): length 13.6
  Bottom w0.2: D10.2 109.6,49.12 110.87,50.39 110.87,54.19 SW10.1
Net-(D11-A): length 11.1
  Bottom w0.2: 39.4,40.32 39.4,39.02 36.3,35.92 36.3,34.62 34.87,33.19 SW11.1
